# KiCad board AWS PROJECT.kicad_pcb (continued)
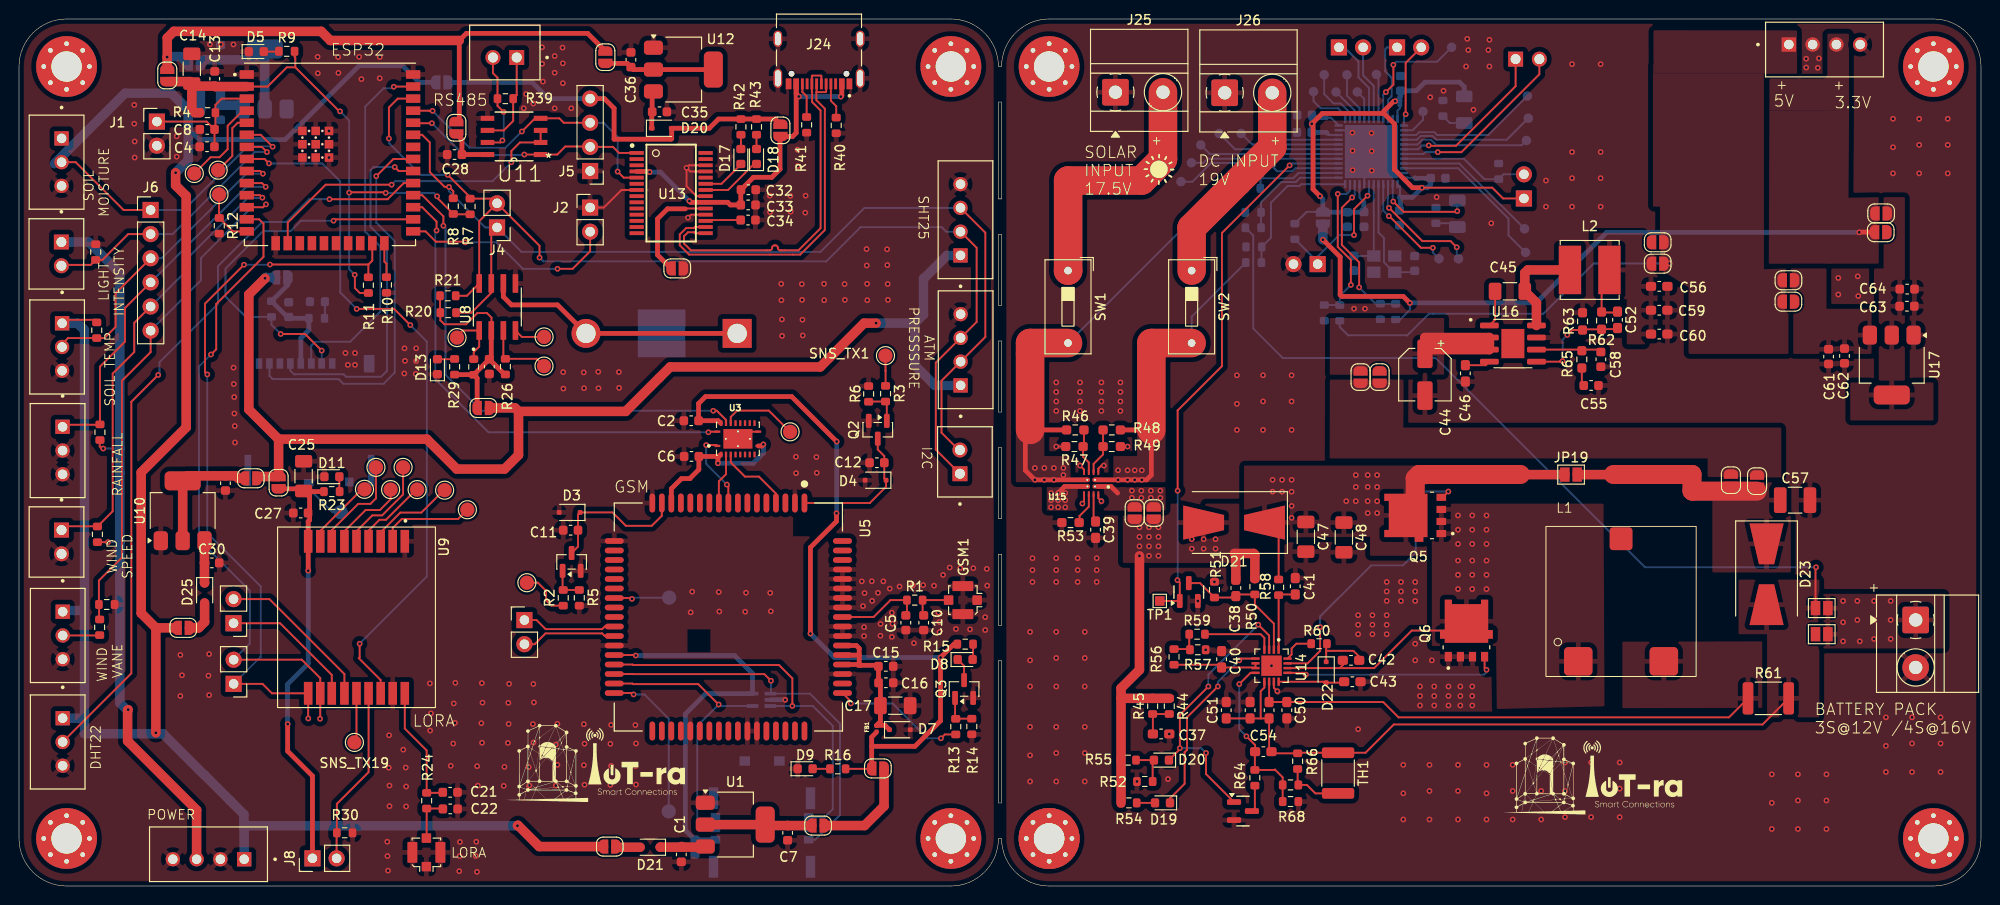
[diagram p0: board, top side]
## Copper pours and planes (outline as drawn; the poured copper is in the pictures) (continued)
/power board/srp on Top: 183.33,18.75 168.61,18.72 168.61,25.72 183.33,25.75
Vbuck on Top: 145.6,53.52 137.85,53.5 137.83,45 177.58,45 177.58,43 185.33,43 185.33,48.25 145.58,48.25 145.61,51.31 145.61,52.41
Net-(D21-K) on Top: 128.83,36.25 128.83,44.25 148.08,44.25 148.08,34.75 142.08,34.75 142.08,36.75 133.08,36.69 133.08,36.25
Net-(D21-K) on Top: 186.33,33 178.08,33 178.08,42.6 186.33,42.6
Net-(D21-K) on Bottom: 128.83,44.25 128.83,36.75 145.05,36.96 145.05,44.46
Net-(JP13-A) on Top: 108.08,42.25 108.08,39.5 111.33,39.5 111.33,41.75 114.08,41.75 114.08,39.5 120.58,39.5 120.58,42.25
Net-(JP13-A) on Bottom: 108.08,42.25 120.58,42.25 120.58,39.5 114.58,39.5 114.58,41 111.33,41 111.33,39.5 108.08,39.5
Net-(JP19-A) on Top: 147.86,53.81 137.85,53.8 137.85,59.78 149.88,59.78 149.87,53.81
Net-(JP22-A) on Top: 165.58,68.75 165.58,61.75 169.08,61.75 169.08,57 172.33,57 172.33,68.75
Net-(JP23-A) on Top: 194.83,60.75 194.83,56 186.33,56 186.33,65 190.08,65 190.08,60.75
Net-(JP24-A) on Top: 201.33,49 192.58,49 192.58,53 195.58,53 195.58,62.7 195.08,62.7 195.08,65 196.08,65 196.08,72.5 198.33,72.5 198.33,53 201.33,53

## Text on the board
B.Silkscreen: G | 3V | 5V | SD CARD | www.ademnea.net | www.iot-ra.net | AWS Gen4 V1, 2025 | GATE WAY BOARD | POWER BOARD
F.Silkscreen: POWER | LORA | + | SOIL TEMP | RAINFALL | DHT22 | SOIL / MOISTURE | WIND / VANE | LIGHT / INTENSITY | WIND / SPEED | SHT25 | I2C | ATM / PRESSSURE | ESP32 | RS485 | GSM | SOLAR / INPUT / 17.5V | DC INPUT / 19V | 5V | BATTERY PACK / 3S@12V /4S@16V | 3.3V
